# Altium PCB roach2.PcbDoc (part 18 of 39)
Units mil, origin at the board's own origin, x right, y up, seen from the top; angles counter-clockwise.
Board outline 12007.87 x 9606.3 mil, 16 copper layers (L1_TOP, L2_G, L3_S, L4_G, L5_S, L6_P, L7_G, L8_R, L9_R, L10_P, L11_P, L12_S, L13_P, L14_S, L15_G, L16_BOT), stack 81.651 mil thick; 1568 components, 1918 nets, 9251 pads, 6741 vias.
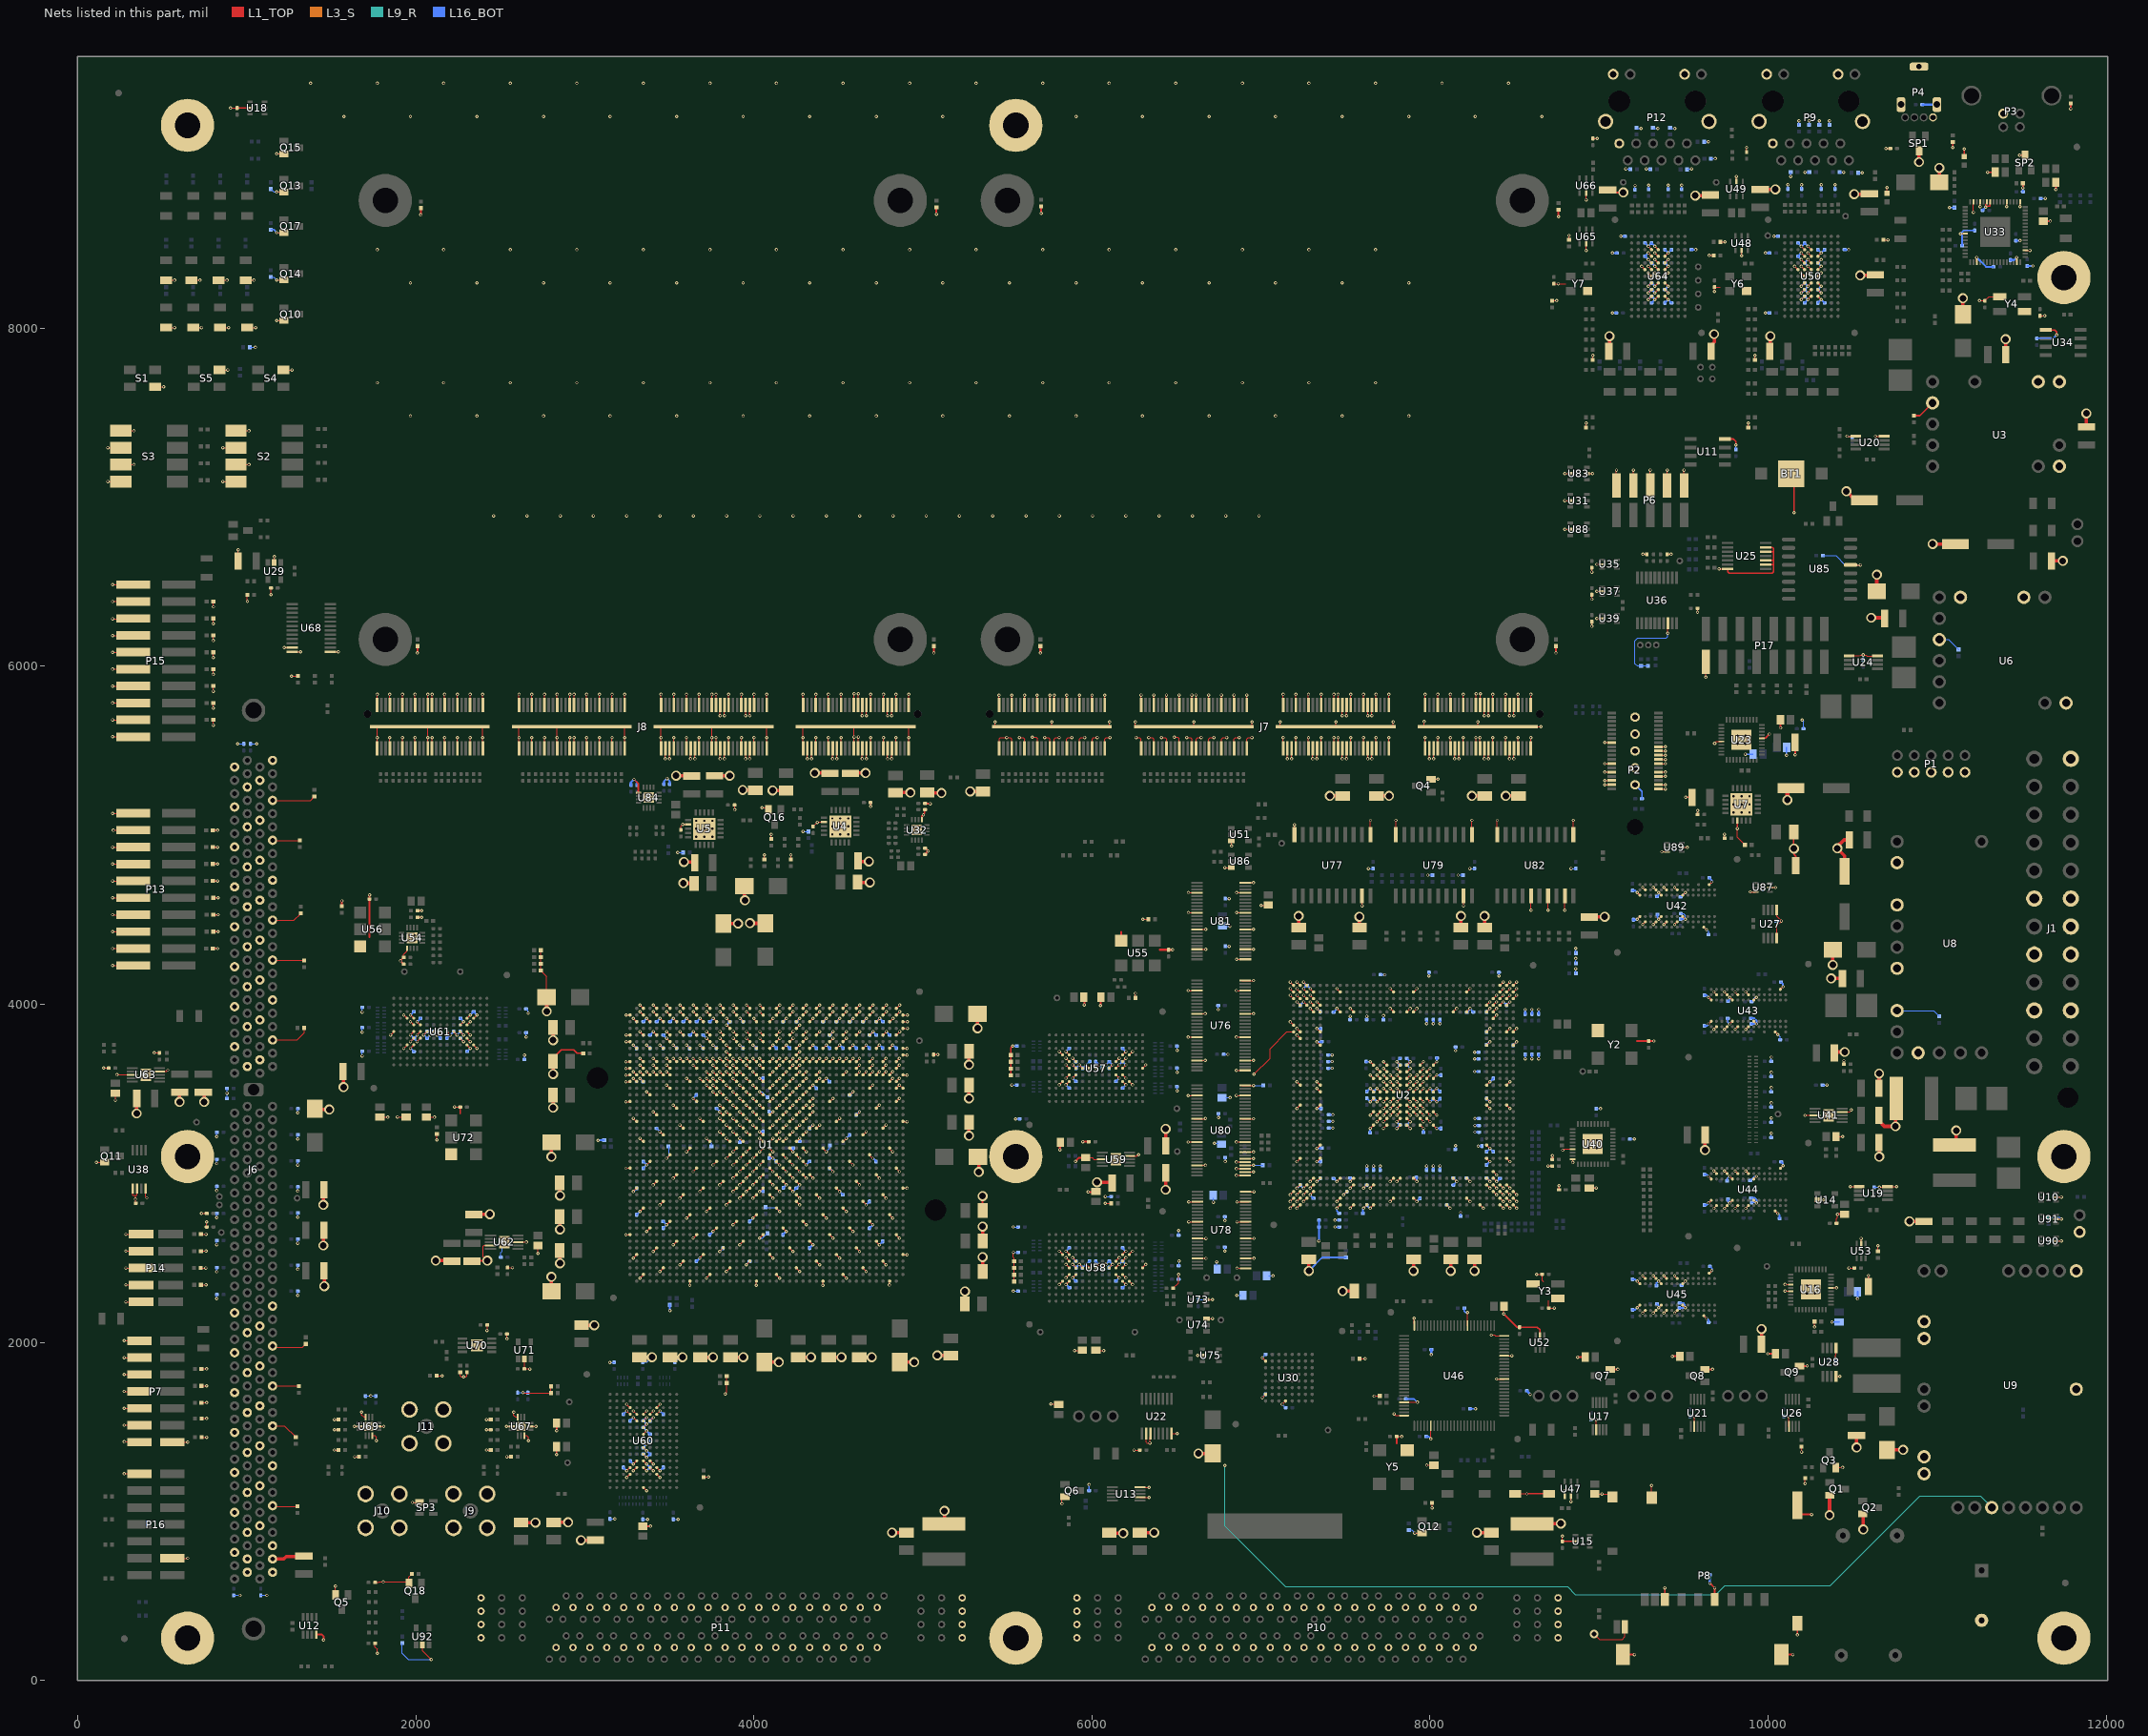
[diagram p32: the nets of this part, all layers, seen from the top]

## Via types
v1: diameter 19.4, hole 10, L1_TOP to L16_BOT, tented both sides, 3354 vias
v2: diameter 19.4, hole 10, L1_TOP to L16_BOT, 1954 vias
v3: diameter 19.4, hole 10, L1_TOP to L16_BOT, tented top, 429 vias
v4: diameter 18.6, hole 10, L1_TOP to L16_BOT, tented both sides, 311 vias
v5: diameter 59.06, hole 39.37, L1_TOP to L16_BOT, 217 vias
v6: diameter 19.4, hole 10.04, L1_TOP to L16_BOT, 125 vias
v7: diameter 19, hole 10, L1_TOP to L16_BOT, 93 vias
v8: diameter 19.4, hole 10, L1_TOP to L16_BOT, tented bottom, 80 vias
v9: diameter 25.98, hole 12.99, L1_TOP to L16_BOT, tented top, 55 vias
v10: diameter 20, hole 10, L1_TOP to L16_BOT, 53 vias
v11: diameter 59.06, hole 39.37, L1_TOP to L16_BOT, tented top, 44 vias
v12: diameter 20, hole 10, L1_TOP to L16_BOT, tented top, 16 vias
v13: diameter 19, hole 10, L1_TOP to L16_BOT, tented top, 5 vias
v14: diameter 25.98, hole 12.99, L1_TOP to L16_BOT, 4 vias
v15: diameter 50, hole 28, L1_TOP to L16_BOT, 1 vias

## Nets (pads, with @x,y where several pads share a name; then routed paths per layer and width w, separated by ;. In a path a pad name is that pad's centre, name@x,y a point inside that pad or via, vN(x,y) a via of type N, cw(c..) or ccw(c..) an arc to the next point about the centre after c; other vN are vias at no path point) (continued)
GND: BT1.2 C1.2 C2.1 C3.2 C4.1 C5.2 C6.2 C7.1 C8.1 C9.1 C10.1 C11.1 C12.1 C13.1 C14.1 C15.1 C16.1 C17.2 C18.1 C19.2 C20.1 C21.1 C22.1 C23.2 C24.1 C25.1 C26.2 C27.1 C28.2 C29.1 C30.2 C31.2 C32.2 C33.1 C34.2 C35.1 C36.2 C37.2 C38.2 C39.1 C40.1 C41.1 C42.1 C43.1 C44.1 C45.1 C46.1 C47.1 C48.2 C49.1 C50.1 C51.1 C52.1 C53.1 C54.1 C55.1 C56.1 C57.1 C58.1 C59.1 C60.1 C61.1 C62.1 C63.1 C64.1 C65.1 C66.1 C67.1 C68.2 C69.2 C70.1 C71.1 C72.1 C73.1 C74.1 C75.1 C76.1 C77.1 C78.1 C79.1 C80.1 C81.1 C82.1 C83.1 C84.1 C85.1 C86.1 C87.1 C88.1 C89.1 C90.1 C91.1 C92.1 C93.1 C94.2 C95.2 C96.1 C97.1 C98.1 C99.1 C100.1 C101.1 C102.1 C103.1 C104.1 C105.1 C106.1 C107.1 C108.1 C109.1 C110.1 C111.1 C112.1 C113.1 C114.1 C115.1 C116.1 C117.1 C118.1 C119.1 C120.1 C121.1 C122.1 C123.1 C124.1 C125.1 C126.1 C127.1 C128.1 C129.1 C130.2 C131.2 C132.2 C133.2 C134.1 C135.1 C136.1 C137.1 C138.1 C139.1 C140.1 C141.1 C142.1 C143.1 C144.1 C145.1 C146.1 C147.1 C148.1 C149.1 C150.1 C151.1 C152.1 C153.1 C154.1 C155.1 C156.1 C157.1 C158.1 C159.1 C160.1 C161.1 C162.1 C163.1 C164.1 C165.2 C166.1 C167.1 C168.1 C169.1 C170.1 C171.1 C172.1 C173.1 C174.1 C175.1 C176.1 C177.1 C178.1 C179.1 C180.1 C181.1 C182.2 C183.1 C184.1 C185.1 C186.1 C187.1 C188.1 C189.1 C190.1 C191.1 C192.1 C195.1 C196.1 C197.1 C198.1 C199.1 C200.1 C201.1 C202.1 C203.1 C204.1 C205.1 C206.1 C207.1 C208.1 C209.1 C210.1 C212.1 C213.1 C214.1 C215.1 C216.1 C217.1 C218.1 C219.1 C220.1 C221.1 C223.1 C224.1 C225.1 C226.1 C227.1 C228.1 C229.1 C230.1 C231.1 C233.1 C234.1 C235.1 C236.1 C237.1 C238.1 C239.1 C240.1 C241.1 C243.1 C244.1 C245.1 C246.1 C247.1 C248.1 C249.1 C250.1 C251.1 C253.1 C254.1 C255.1 C256.1 C257.1 C258.1 C259.1 C260.1 C261.1 C262.1 C263.1 C264.1 C265.1 C266.1 C267.1 C268.1 C269.1 C270.1 C271.1 C272.1 C273.1 C274.1 C275.1 C276.1 C277.1 C278.1 C279.1 C280.1 C281.1 C282.1 C283.1 C284.1 C285.1 C286.1 C287.1 C288.1 C289.1 C290.1 C291.1 C292.1 C293.1 C295.1 C296.1 C297.1 C298.2 C299.2 C300.2 C301.2 C302.1 C303.2 C304.2 C305.2 C306.2 C307.2 C308.2 C309.2 C310.2 C311.2 C312.2 C313.2 C314.2 C315.2 C316.2 C317.2 C318.1 C319.1 C320.1 C321.1 C322.1 C323.1 C324.1 C325.1 C326.2 C327.1 C328.1 C329.1 C330.1 C331.1 C332.1 C333.1 C334.1 C335.1 C336.1 C337.1 C338.1 C339.1 C340.1 C341.1 C342.1 C343.1 C344.2 C345.1 C346.1 C347.1 C348.1 C349.1 C350.1 C351.1 C352.1 C353.1 C354.1 C355.1 C356.1 C357.1 C358.1 C359.1 C360.1 C361.2 C362.2 C363.2 C364.1 C365.1 C366.1 C367.1 C368.1 C369.1 C371.1 C372.1 C373.2 C374.2 C375.2 C376.2 C377.1 C379.1 C381.1 C382.1 C383.1 C384.1 C385.2 C386.1 C387.2 C388.2 C389.2 C390.1 C392.1 C393.1 C394.2 C395.2 C396.2 C397.1 C398.1 C399.1 C400.1 C401.1 C402.1 C403.2 C404.1 C405.1 C406.1 C407.1 C408.2 C409.1 C410.1 C411.1 C412.1 C413.1 C414.1 C415.2 C416.1 C417.1 C418.2 C419.1 C452.1 C485.1 C487.1 C489.1 C490.1 C491.1 C500.1 C501.1 C502.1 C503.1 C506.1 C511.1 C512.1 C513.1 C514.1 C515.1 C516.1 C517.1 C518.1 C519.1 C520.1 C521.1 C522.1 C523.1 C524.1 C525.1 C526.1 C527.1 C528.1 C529.1 C530.1 C531.1 C532.1 C533.1 C534.1 C535.1 C536.1 C537.1 C538.1 C539.1 C540.1 C541.1 C542.1 C543.1 C544.1 C545.1 C546.1 C547.1 C548.1 C549.1 C550.1 C551.1 C552.1 C553.1 C554.1 C555.1 C556.1 C557.1 C558.1 C559.1 C560.1 C561.1 C562.1 C563.1 C564.1 C565.1 C566.1 C567.1 C568.1 C569.1 C570.1 C571.1 C572.1 C573.1 C574.1 C575.1 C576.1 C577.1 C578.1 C579.1 C580.1 C581.1 C582.1 C583.1 C584.1 C585.1 C586.1 C587.1 C588.1 C589.1 C590.1 C591.1 C592.1 C593.1 C594.1 C595.1 C596.1 C597.1 C598.1 C599.1 C600.1 C601.1 C602.1 C603.1 C604.1 C605.1 C606.1 C607.1 C608.1 C609.1 C610.1 C612.1 C613.1 C614.1 C615.1 C616.1 C617.1 C618.1 C619.1 C620.1 C621.1 C622.1 C623.1 C624.1 C625.1 C626.1 C627.1 C628.1 C629.1 C630.1 C631.1 C632.2 C633.1 C634.1 C635.1 C636.1 C637.1 C638.1 C639.1 C640.1 C641.1 C642.1 C643.1 C644.1 C645.1 C646.1 C647.1 C648.1 C649.1 C650.1 C651.1 C652.1 C653.1 C654.1 C655.1 C661.1 C662.1 C663.1 C664.1 C665.1 C666.1 C667.1 C668.1 C669.1 C670.1 C671.2 C672.2 C673.2 C674.2 C675.2 C676.2 C677.2 C678.2 C679.1 C680.1 C681.1 C682.1 C683.1 C684.1 C685.1 C686.1 C687.1 C688.1 C689.1 C690.1 C691.1 C692.1 C693.1 C694.1 C695.1 C696.1 C697.1 C698.1 C699.1 C700.1 C702.1 C705.2 C706.2 C707.2 C708.2 C709.1 C710.2 C711.2 C712.2 C713.2 C714.2 C715.2 C716.2 C717.2 C718.1 C719.1 C721.1 C722.1 C723.1 C725.1 C726.1 C727.1 C728.1 C729.1 C730.1 C731.1 C732.1 C733.1 C734.1 C735.1 C736.1 C737.1 C738.1 C739.1 C740.1 C741.1 C742.1 C743.1 C744.1 C745.1 C746.1 C747.1 C748.1 C749.1 C750.1 C751.1 C752.1 C753.1 C762.1 C763.1 C764.1 C765.1 C774.1 C775.1 C776.1 C777.1 C778.1 C779.1 DS15.1 DS16.1 DS17.1 DS18.1 DS19.1 DS20.1 DS21.1 DS22.1 DS24.1 DS25.1 H1.1 H2.1 H3.1 H4.1 H5.1 H6.1 H7.1 H8.1 H9.1 J1.3 J1.5 J1.7 J1.15 J1.17 J1.18 J1.19 J1.24 J6.2 J6.5 J6.8 J6.11 J6.14 J6.17 J6.20 J6.23 J6.26 J6.29 J6.32 J6.35 J6.38 J6.41 J6.44 J6.47 J6.80 J6.83 J6.86 J6.89 J6.92 J6.95 J6.98 J6.101 J6.104 J6.107 J6.110 J6.113 J6.116 J6.117 J6.119 J6.121 J6.124 J6.127 J6.130 J6.133 J6.136 J6.139 J6.142 J6.145 J6.148 J6.151 J6.154 J6.157 J6.160 J6.163 J6.166 J6.199 J6.202 J6.205 J6.208 J6.211 J6.214 J6.217 J6.220 J6.223 J6.226 J6.229 J6.232 J6.235 J6.237 J6.239 J7.AG1 J7.AG2 J7.AG3 J7.AG4 J7.AG5 J7.AG6 J7.AG7 J7.AG8 J7.AG9 J7.AG10 J7.AG11 J7.AG12 J7.AG13 J7.AG14 J7.AG15 J7.AG16 J7.AG17 J7.AG18 J7.AG19 J7.AG20 J7.AGND J7.BG1 J7.BG2 J7.BG3 J7.BG4 J7.BG5 J7.BG6 J7.BG7 J7.BG8 J7.BG9 J7.BG10 J7.BG11 J7.BG12 J7.BG13 J7.BG14 J7.BG15 J7.BG16 J7.BG17 J7.BG18 J7.BG19 J7.BG20 J7.BGND J7.C1 J7.C2 J7.C5 J7.C6 J7.C9 J7.C10 J7.C13 J7.C14 J7.C25 J7.C26 J7.C29 J7.C30 J7.CG1 J7.CG2 J7.CG3 J7.CG4 J7.CG5 J7.CG6 J7.CG7 J7.CG8 J7.CG9 J7.CG10 J7.CG11 J7.CG12 J7.CG13 J7.CG14 J7.CG15 J7.CG16 J7.CG17 J7.CG18 J7.CG19 J7.CG20 J7.CGND J7.D1 J7.D2 J7.D5 J7.D6 J7.D9 J7.D10 J7.D13 J7.D14 J7.D25 J7.D26 J7.D29 J7.D30 J7.DG1 J7.DG2 J7.DG3 J7.DG4 J7.DG5 J7.DG6 J7.DG7 J7.DG8 J7.DG9 J7.DG10 J7.DG11 J7.DG12 J7.DG13 J7.DG14 J7.DG15 J7.DG16 J7.DG17 J7.DG18 J7.DG19 J7.DG20 J7.DGND J8.AG1 J8.AG2 J8.AG3 J8.AG4 J8.AG5 J8.AG6 J8.AG7 J8.AG8 J8.AG9 J8.AG10 J8.AG11 J8.AG12 J8.AG13 J8.AG14 J8.AG15 J8.AG16 J8.AG17 J8.AG18 J8.AG19 J8.AG20 J8.AGND J8.BG1 J8.BG2 J8.BG3 J8.BG4 J8.BG5 J8.BG6 J8.BG7 J8.BG8 J8.BG9 J8.BG10 J8.BG11 J8.BG12 J8.BG13 J8.BG14 J8.BG15 J8.BG16 J8.BG17 J8.BG18 J8.BG19 J8.BG20 J8.BGND J8.C1 J8.C2 J8.C5 J8.C6 J8.C9 J8.C10 J8.C13 J8.C14 J8.C25 J8.C26 J8.C29 J8.C30 J8.CG1 J8.CG2 J8.CG3 J8.CG4 J8.CG5 J8.CG6 J8.CG7 J8.CG8 J8.CG9 J8.CG10 J8.CG11 J8.CG12 J8.CG13 J8.CG14 J8.CG15 J8.CG16 J8.CG17 J8.CG18 J8.CG19 J8.CG20 J8.CGND J8.D1 J8.D2 J8.D5 J8.D6 J8.D9 J8.D10 J8.D13 J8.D14 J8.D25 J8.D26 J8.D29 J8.D30 J8.DG1 J8.DG2 J8.DG3 J8.DG4 J8.DG5 J8.DG6 J8.DG7 J8.DG8 J8.DG9 J8.DG10 J8.DG11 J8.DG12 J8.DG13 J8.DG14 J8.DG15 J8.DG16 J8.DG17 J8.DG18 J8.DG19 J8.DG20 J8.DGND J9.2 J9.3 J9.4 J9.5 J10.2 J10.3 J10.4 J10.5 J11.2 J11.3 J11.4 J11.5 JP1.2 P1.1 P1.3 P1.5 P1.7 P1.9 P2.2 P2.3 P2.4 P2.5 P2.8 P2.9 P2.10 P2.13 P2.14 P2.16 P2.18 P2.20 P2.22 P2.23 P2.39 P2.40 P2.41 P2.42 P2.43 P3.4 P4.4 P4.5 P4.6 P4.7 P6.6 P6.7 P6.8 P6.9 P6.10 P7.1 P7.3 P7.5 P7.7 P7.9 P7.11 P7.13 P7.14 P8.3 P8.6 P8.10 P8.12 P8.SH1 P8.SH2 P8.SH3 P8.SH4 P8.SH5 P9.10 P9.12 P9.14 P9.17 P9.18 P10.B1 P10.B2 P10.B3 P10.B4 P10.B5 P10.B6 P10.B7 P10.B8 P10.B9 P10.B10 P10.B11 P10.B12 P10.B13 P10.B14 P10.B15 P10.B16 P10.B17 P10.B18 P10.B19 P10.B20 P10.E1 P10.E2 P10.E3 P10.E4 P10.E5 P10.E6 P10.E7 P10.E8 P10.E9 P10.E10 P10.E11 P10.E12 P10.E13 P10.E14 P10.E15 P10.E16 P10.E17 P10.E18 P10.E19 P10.E20 P10.W1 P10.W6 P10.X1 P10.X6 P10.Y1 P10.Y6 P10.Z1 P10.Z6 P11.B1 P11.B2 P11.B3 P11.B4 P11.B5 P11.B6 P11.B7 P11.B8 P11.B9 P11.B10 P11.B11 P11.B12 P11.B13 P11.B14 P11.B15 P11.B16 P11.B17 P11.B18 P11.B19 P11.B20 P11.E1 P11.E2 P11.E3 P11.E4 P11.E5 P11.E6 P11.E7 P11.E8 P11.E9 P11.E10 P11.E11 P11.E12 P11.E13 P11.E14 P11.E15 P11.E16 P11.E17 P11.E18 P11.E19 P11.E20 P11.W1 P11.W6 P11.X1 P11.X6 P11.Y1 P11.Y6 P11.Z1 P11.Z6 P12.10 P12.12 P12.14 P12.17 P12.18 P13.2 P13.4 P13.6 P13.8 P13.10 P13.12 P13.14 P13.16 P13.18 P13.20 P14.6 P14.7 P14.8 P14.9 P14.10 P15.2 P15.4 P15.6 P15.8 P15.10 P15.12 P15.14 P15.16 P15.18 P15.20 P16.3 P16.14 P17.16 Q1.2 Q2.2 Q3.2 Q4.2 Q5.2 Q6.2 Q7.2 Q8.2 Q9.2 Q10.2 Q11.2 Q12.2 Q13.2 Q14.2 Q15.2 Q16.2 Q17.2 Q18.2 R5.1 R8.1 R9.1 R14.1 R19.1 R22.1 R23.1 R30.1 R38.1 R53.2 R66.1 R67.1 R72.1 R78.1 R92.1 R93.1 R95.1 R111.1 R113.1 R115.1 R119.1 R123.2 R128.2 R129.1 R225.1 R229.1 R238.1 R241.1 R245.1 R246.1 R250.1 R251.1 R252.1 R255.2 R256.1 R263.1 R265.1 R267.1 R271.1 R273.1 R284.1 R290.1 R291.1 R292.1 R293.1 R294.1 R295.1 R296.1 R297.1 R300.2 R301.2 R302.2 R303.2 R304.2 R305.2 R306.2 R307.2 R308.2 R309.2 R310.2 R311.2 R312.2 R313.2 R314.2 R315.2 R316.2 R318.1 R320.2 R321.2 R326.1 R327.1 R329.1 R331.1 R333.1 R334.2 R335.2 R336.2 R337.2 R338.2 R339.2 R340.2 R341.2 R344.1 R345.1 R349.2 R371.2 R372.2 R400.1 R409.1 R413.1 R414.1 R427.2 R428.1 R429.1 R436.1 R442.2 R443.1 R445.1 R448.1 R452.1 R458.1 R460.1 R492.1 S1.1 S2.5 S2.6 S2.7 S2.8 S3.5 S3.6 S3.7 S3.8 S4.2 S5.2 SP1.3 SP2.3 SP3.1 SP4.2 SP5.2 SP6.1 SP7.1 SP8.1 SP9.1 SP10.1 SP11.1 SP12.1 SP13.1 SP14.1 SP15.1 SP16.1 SP17.1 SP18.1 SP19.1 SP20.1 SP21.1 SP22.1 SP23.1 SP24.1 SP25.1 SP26.1 SP27.1 SP28.1 SP29.1 SP30.1 SP31.1 SP32.1 SP33.1 SP34.1 SP35.1 SP36.1 SP37.1 SP38.1 SP39.1 SP40.1 SP41.1 SP42.2 SP43.1 SP44.1 SP45.1 SP46.1 U1.A2 U1.A3 U1.A4 U1.A7 U1.A8 U1.A11 U1.A13 U1.A18 U1.A28 U1.A38 U1.AA3 U1.AA7 U1.AA9 U1.AA11 U1.AA13 U1.AA15 U1.AA17 U1.AA19 U1.AA21 U1.AA22 U1.AA23 U1.AA25 U1.AA27 U1.AA29 U1.AA38 U1.AB1 U1.AB2 U1.AB5 U1.AB6 U1.AB9 U1.AB10 U1.AB12 U1.AB14 U1.AB16 U1.AB18 U1.AB20 U1.AB21 U1.AB22 U1.AB24 U1.AB26 U1.AB28 U1.AB35 U1.AC3 U1.AC7 U1.AC9 U1.AC11 U1.AC13 U1.AC15 U1.AC17 U1.AC19 U1.AC23 U1.AC25 U1.AC27 U1.AC29 U1.AC32 U1.AC42 U1.AD1 U1.AD2 U1.AD5 U1.AD6 U1.AD9 U1.AD10 U1.AD12 U1.AD14 U1.AD16 U1.AD18 U1.AD20 U1.AD22 U1.AD24 U1.AD26 U1.AD28 U1.AD39 U1.AE3 U1.AE7 U1.AE9 U1.AE11 U1.AE13 U1.AE15 U1.AE17 U1.AE19 U1.AE21 U1.AE23 U1.AE25 U1.AE27 U1.AE29 U1.AE36 U1.AF1 U1.AF2 U1.AF5 U1.AF6 U1.AF9 U1.AF10 U1.AF11 U1.AF12 U1.AF14 U1.AF16 U1.AF18 U1.AF20 U1.AF22 U1.AF24 U1.AF26 U1.AF28 U1.AF33 U1.AG3 U1.AG4 U1.AG7 U1.AG8 U1.AG9 U1.AG10 U1.AG11 U1.AG13 U1.AG15 U1.AG17 U1.AG19 U1.AG21 U1.AG23 U1.AG30 U1.AG40 U1.AH1 U1.AH2 U1.AH5 U1.AH6 U1.AH9 U1.AH11 U1.AH12 U1.AH14 U1.AH16 U1.AH17 U1.AH18 U1.AH20 U1.AH27 U1.AH37 U1.AJ3 U1.AJ7 U1.AJ9 U1.AJ10 U1.AJ11 U1.AJ12 U1.AJ13 U1.AJ14 U1.AJ24 U1.AJ34 U1.AK1 U1.AK2 U1.AK5 U1.AK6 U1.AK9 U1.AK11 U1.AK12 U1.AK13 U1.AK21 U1.AK31 U1.AK41 U1.AL3 U1.AL7 U1.AL9 U1.AL12 U1.AL18 U1.AL28 U1.AL38 U1.AM1 U1.AM2 U1.AM5 U1.AM9 U1.AM10 U1.AM15 U1.AM25 U1.AM35 U1.AN3 U1.AN7 U1.AN9 U1.AN12 U1.AN22 U1.AN32 U1.AN42 U1.AP1 U1.AP2 U1.AP5 U1.AP9 U1.AP19 U1.AP29 U1.AP39 U1.AR3 U1.AR7 U1.AR9 U1.AR16 U1.AR26 U1.AR36 U1.AT1 U1.AT2 U1.AT5 U1.AT6 U1.AT9 U1.AT10 U1.AT11 U1.AT13 U1.AT23 U1.AT33 U1.AU3 U1.AU7 U1.AU11 U1.AU20 U1.AU30 U1.AU40 U1.AV1 U1.AV2 U1.AV5 U1.AV9 U1.AV10 U1.AV11 U1.AV17 U1.AV27 U1.AV37 U1.AW3 U1.AW7 U1.AW11 U1.AW14 U1.AW24 U1.AW34 U1.AY1 U1.AY2 U1.AY5 U1.AY9 U1.AY10 U1.AY11 U1.AY12 U1.AY21 U1.AY31 U1.AY41 U1.B1 U1.B2 U1.B5 U1.B9 U1.B10 U1.B12 U1.B13 U1.B15 U1.B25 U1.B35 U1.BA3 U1.BA7 U1.BA11 U1.BA12 U1.BA18 U1.BA28 U1.BA38 U1.BB2 U1.BB5 U1.BB6 U1.BB9 U1.BB10 U1.BB11 U1.BB12 U1.BB15 U1.BB25 U1.BB35 U1.C3 U1.C7 U1.C11 U1.C12 U1.C22 U1.C32 U1.C42 U1.D1 U1.D2 U1.D5 U1.D9 U1.D10 U1.D11 U1.D19 U1.D29 U1.D39 U1.E3 U1.E7 U1.E11 U1.E16 U1.E26 U1.E36 U1.F1 U1.F2 U1.F5 U1.F9 U1.F10 U1.F11 U1.F13 U1.F23 U1.F33 U1.G3 U1.G7 U1.G11 U1.G20 U1.G30 U1.G40 U1.H1 U1.H2 U1.H5 U1.H9 U1.H10 U1.H11 U1.H17 U1.H27 U1.H37 U1.J3 U1.J7 U1.J9 U1.J14 U1.J24 U1.J34 U1.K1 U1.K2 U1.K5 U1.K6 U1.K9 U1.K11 U1.K21 U1.K31 U1.K41 U1.L3 U1.L7 U1.L9 U1.L18 U1.L28 U1.L38 U1.M1 U1.M2 U1.M5 U1.M6 U1.M9 U1.M15 U1.M25 U1.M35 U1.N3 U1.N7 U1.N9 U1.N12 U1.N22 U1.N32 U1.N42 U1.P1 U1.P2 U1.P5 U1.P9 U1.P11 U1.P12 U1.P19 U1.P29 U1.P39 U1.R3 U1.R7 U1.R9 U1.R13 U1.R15 U1.R16 U1.R17 U1.R19 U1.R26 U1.R36 U1.T1 U1.T2 U1.T5 U1.T6 U1.T9 U1.T11 U1.T12 U1.T14 U1.T16 U1.T18 U1.T20 U1.T22 U1.T24 U1.T26 U1.T33 U1.U3 U1.U4 U1.U7 U1.U8 U1.U9 U1.U10 U1.U11 U1.U13 U1.U15 U1.U17 U1.U19 U1.U21 U1.U23 U1.U25 U1.U27 U1.U29 U1.U30 U1.U40 U1.V1 U1.V2 U1.V5 U1.V6 U1.V9 U1.V10 U1.V12 U1.V14 U1.V16 U1.V18 U1.V20 U1.V22 U1.V24 U1.V26 U1.V28 U1.V37 U1.W3 U1.W7 U1.W9 U1.W11 U1.W13 U1.W15 U1.W17 U1.W19 U1.W21 U1.W23 U1.W25 U1.W27 U1.W34 U1.Y1 U1.Y2 U1.Y5 U1.Y6 U1.Y9 U1.Y10 U1.Y12 U1.Y14 U1.Y16 U1.Y18 U1.Y20 U1.Y21 U1.Y24 U1.Y26 U1.Y28 U1.Y31 U1.Y41 U2.A1 U2.A2 U2.A3 U2.A27 U2.A28 U2.A32 U2.A33 U2.A34 U2.AA14 U2.AA15 U2.AA17 U2.AA18 U2.AA20 U2.AA21 U2.AB13 U2.AB15 U2.AB17 U2.AB18 U2.AB20 U2.AB22 U2.AD1 U2.AE5 U2.AE30 U2.AG2 U2.AG5 U2.AG30 U2.AG33 U2.AJ1 U2.AK4 U2.AK5 U2.AK8 U2.AK10 U2.AK16 U2.AK17 U2.AK19 U2.AK25 U2.AK27 U2.AK30 U2.AK31 U2.AL3 U2.AL4 U2.AL5 U2.AL6 U2.AL29 U2.AL30 U2.AL31 U2.AL32 U2.AM1 U2.AM2 U2.AM3 U2.AM4 U2.AM31 U2.AM32 U2.AM33 U2.AM34 U2.AN1 U2.AN2 U2.AN3 U2.AN4 U2.AN8 U2.AN16 U2.AN19 U2.AN27 U2.AN31 U2.AN32 U2.AN33 U2.AN34 U2.AP1 U2.AP2 U2.AP3 U2.AP25 U2.AP27 U2.AP32 U2.AP33 U2.AP34 U2.B1 U2.B2 U2.B3 U2.B4 U2.B8 U2.B16 U2.B19 U2.B26 U2.B27 U2.B31 U2.B32 U2.B33 U2.B34 U2.C2 U2.C3 U2.C4 U2.C31 U2.C32 U2.C33 U2.C34 U2.D3 U2.D4 U2.D5 U2.D30 U2.D31 U2.D32 U2.D33 U2.E5 U2.E8 U2.E10 U2.E16 U2.E18 U2.E19 U2.E25 U2.E27 U2.E30 U2.E31 U2.H1 U2.H2 U2.H5 U2.H30 U2.H33 U2.J3 U2.K1 U2.K4 U2.K5 U2.K30 U2.M1 U2.M4 U2.N1 U2.N4 U2.N13 U2.N15 U2.N17 U2.N18 U2.N20 U2.N22 U2.P14 U2.P15 U2.P17 U2.P18 U2.P20 U2.P21 U2.R13 U2.R14 U2.R15 U2.R16 U2.R17 U2.R18 U2.R19 U2.R20 U2.R21 U2.R22 U2.T2 U2.T5 U2.T15 U2.T16 U2.T17 U2.T18 U2.T19 U2.T20 U2.T30 U2.T33 U2.U5 U2.U13 U2.U14 U2.U15 U2.U16 U2.U17 U2.U18 U2.U19 U2.U20 U2.U21 U2.U22 U2.V13 U2.V14 U2.V15 U2.V16 U2.V17 U2.V18 U2.V19 U2.V20 U2.V21 U2.V22 U2.V30 U2.W2 U2.W5 U2.W15 U2.W16 U2.W17 U2.W18 U2.W19 U2.W20 U2.W30 U2.W33 U2.Y13 U2.Y14 U2.Y15 U2.Y16 U2.Y17 U2.Y18 U2.Y19 U2.Y20 U2.Y21 U2.Y22 U3.1 U3.3 U3.4 U3.7 U4.12 U4.21 U5.12 U5.21 U6.1 U6.3 U6.4 U6.7 U7.12 U7.21 U8.3 U8.4 U8.7 U8.8 U8.11 U9.1 U9.8 U9.9 U9.12 U9.13 U9.16 U9.22 U10.2 U11.4 U12.4 U13.2 U13.5 U14.2 U15.2 U16.14 U16.16 U16.36 U16.41 U17.2 U18.2 U19.4 U19.5 U20.4 U20.5 U21.2 U22.10 U22.11 U22.16 U23.16 U23.36 U23.41 U24.4 U24.5 U25.7 U25.9 U25.10 U25.12 U25.13 U26.2 U27.4 U27.5 U28.4 U28.5 U29.2 U30.E8 U30.H2 U30.H7 U31.2 U32.13 U32.17 U33.1 U33.5 U33.10 U33.11 U33.13 U33.15 U33.25 U33.35 U33.47 U33.51 U34.5 U35.2 U36.18 U37.2 U38.1 U38.2 U38.4 U39.2 U40.7 U40.10 U40.41 U41.4 U41.8 U41.11 U42.A3 U42.A7 U42.B2 U42.B8 U42.D2 U42.D8 U42.E3 U42.E7 U42.F2 U42.F8 U42.H2 U42.H8 U42.J3 U42.J7 U42.N1 U42.P9 U43.A3 U43.A7 U43.B2 U43.B8 U43.D2 U43.D8 U43.E3 U43.E7 U43.F2 U43.F8 U43.H2 U43.H8 U43.J3 U43.J7 U43.N1 U43.P9 U44.A3 U44.A7 U44.B2 U44.B8 U44.D2 U44.D8 U44.E3 U44.E7 U44.F2 U44.F8 U44.H2 U44.H8 U44.J3 U44.J7 U44.N1 U44.P9 U45.A3 U45.A7 U45.B2 U45.B8 U45.D2 U45.D8 U45.E3 U45.E7 U45.F2 U45.F8 U45.H2 U45.H8 U45.J3 U45.J7 U45.N1 U45.P9 U46.21 U46.25 U46.31 U46.62 U46.69 U46.75 U46.84 U46.100 U47.1 U47.2 U48.2 U49.2 U50.D4 U50.D5 U50.D6 U50.E4 U50.E5 U50.E6 U50.F4 U50.F5 U50.F6 U50.G4 U50.G5 U50.G6 U50.H4 U50.H5 U50.H6 U50.H7 U50.J4 U50.J5 U50.J6 U50.K4 U50.K5 U50.K6 U50.L5 U50.L6 U51.3 U52.2 U53.2 U54.13 U54.17 U55.3 U56.3 U57.C4 U57.C8 U57.D4 U57.D5 U57.D6 U57.D7 U57.D8 U57.E5 U57.E6 U57.E7 U57.F6 U57.G6 U57.H6 U57.J6 U57.K6 U57.L5 U57.L6 U57.L7 U57.M4 U57.M5 U57.M6 U57.M7 U57.M8 U57.N4 U57.N8 U57.R6 U58.C4 U58.C8 U58.D4 U58.D5 U58.D6 U58.D7 U58.D8 U58.E5 U58.E6 U58.E7 U58.F6 U58.G6 U58.H6 U58.J6 U58.K6 U58.L5 U58.L6 U58.L7 U58.M4 U58.M5 U58.M6 U58.M7 U58.M8 U58.N4 U58.N8 U58.R6 U59.4 U59.8 U59.11 U60.C4 U60.C8 U60.D4 U60.D5 U60.D6 U60.D7 U60.D8 U60.E5 U60.E6 U60.E7 U60.F6 U60.G6 U60.H6 U60.J6 U60.K6 U60.L5 U60.L6 U60.L7 U60.M4 U60.M5 U60.M6 U60.M7 U60.M8 U60.N4 U60.N8 U60.R6 U61.C4 U61.C8 U61.D4 U61.D5 U61.D6 U61.D7 U61.D8 U61.E5 U61.E6 U61.E7 U61.F6 U61.G6 U61.H6 U61.J6 U61.K6 U61.L5 U61.L6 U61.L7 U61.M4 U61.M5 U61.M6 U61.M7 U61.M8 U61.N4 U61.N8 U61.R6 U62.4 U62.8 U62.11 U63.4 U63.8 U63.11 U64.D4 U64.D5 U64.D6 U64.E4 U64.E5 U64.E6 U64.F4 U64.F5 U64.F6 U64.G4 U64.G5 U64.G6 U64.H4 U64.H5 U64.H6 U64.H7 U64.J4 U64.J5 U64.J6 U64.K4 U64.K5 U64.K6 U64.L5 U64.L6 U65.2 U66.2 U67.3 U67.5 U67.9 U67.11 U67.13 U68.11 U68.12 U68.13 U69.3 U69.5 U69.9 U69.11 U69.13 U70.9 U71.2 U72.3 U73.2 U74.3 U75.2 U76.4 U76.11 U76.18 U76.25 U76.29 U76.32 U76.39 U76.46 U76.53 U76.56 U77.1 U77.10 U77.19 U78.4 U78.10 U78.15 U78.21 U78.25 U78.28 U78.34 U78.39 U78.45 U78.48 U79.1 U79.10 U79.19 U80.4 U80.11 U80.18 U80.25 U80.29 U80.30 U80.31 U80.32 U80.33 U80.34 U80.36 U80.39 U80.46 U80.53 U80.56 U81.4 U81.10 U81.15 U81.21 U81.25 U81.28 U81.34 U81.39 U81.45 U81.48 U82.1 U82.10 U82.15 U82.17 U82.19 U83.2 U83.5 U84.13 U84.17 U85.13 U86.3 U87.2 U87.6 U88.2 U89.2 U89.6 U90.2 U91.2 U92.2 VR1.1 VR2.1 Y2.2 Y3.2 Y3.4 Y4.2 Y4.4 Y5.2 Y6.2 Y7.2 | length 98580.9